# Altium PCB PCB-Relay-Board-V1.PcbDoc (part 3 of 5) (continued)
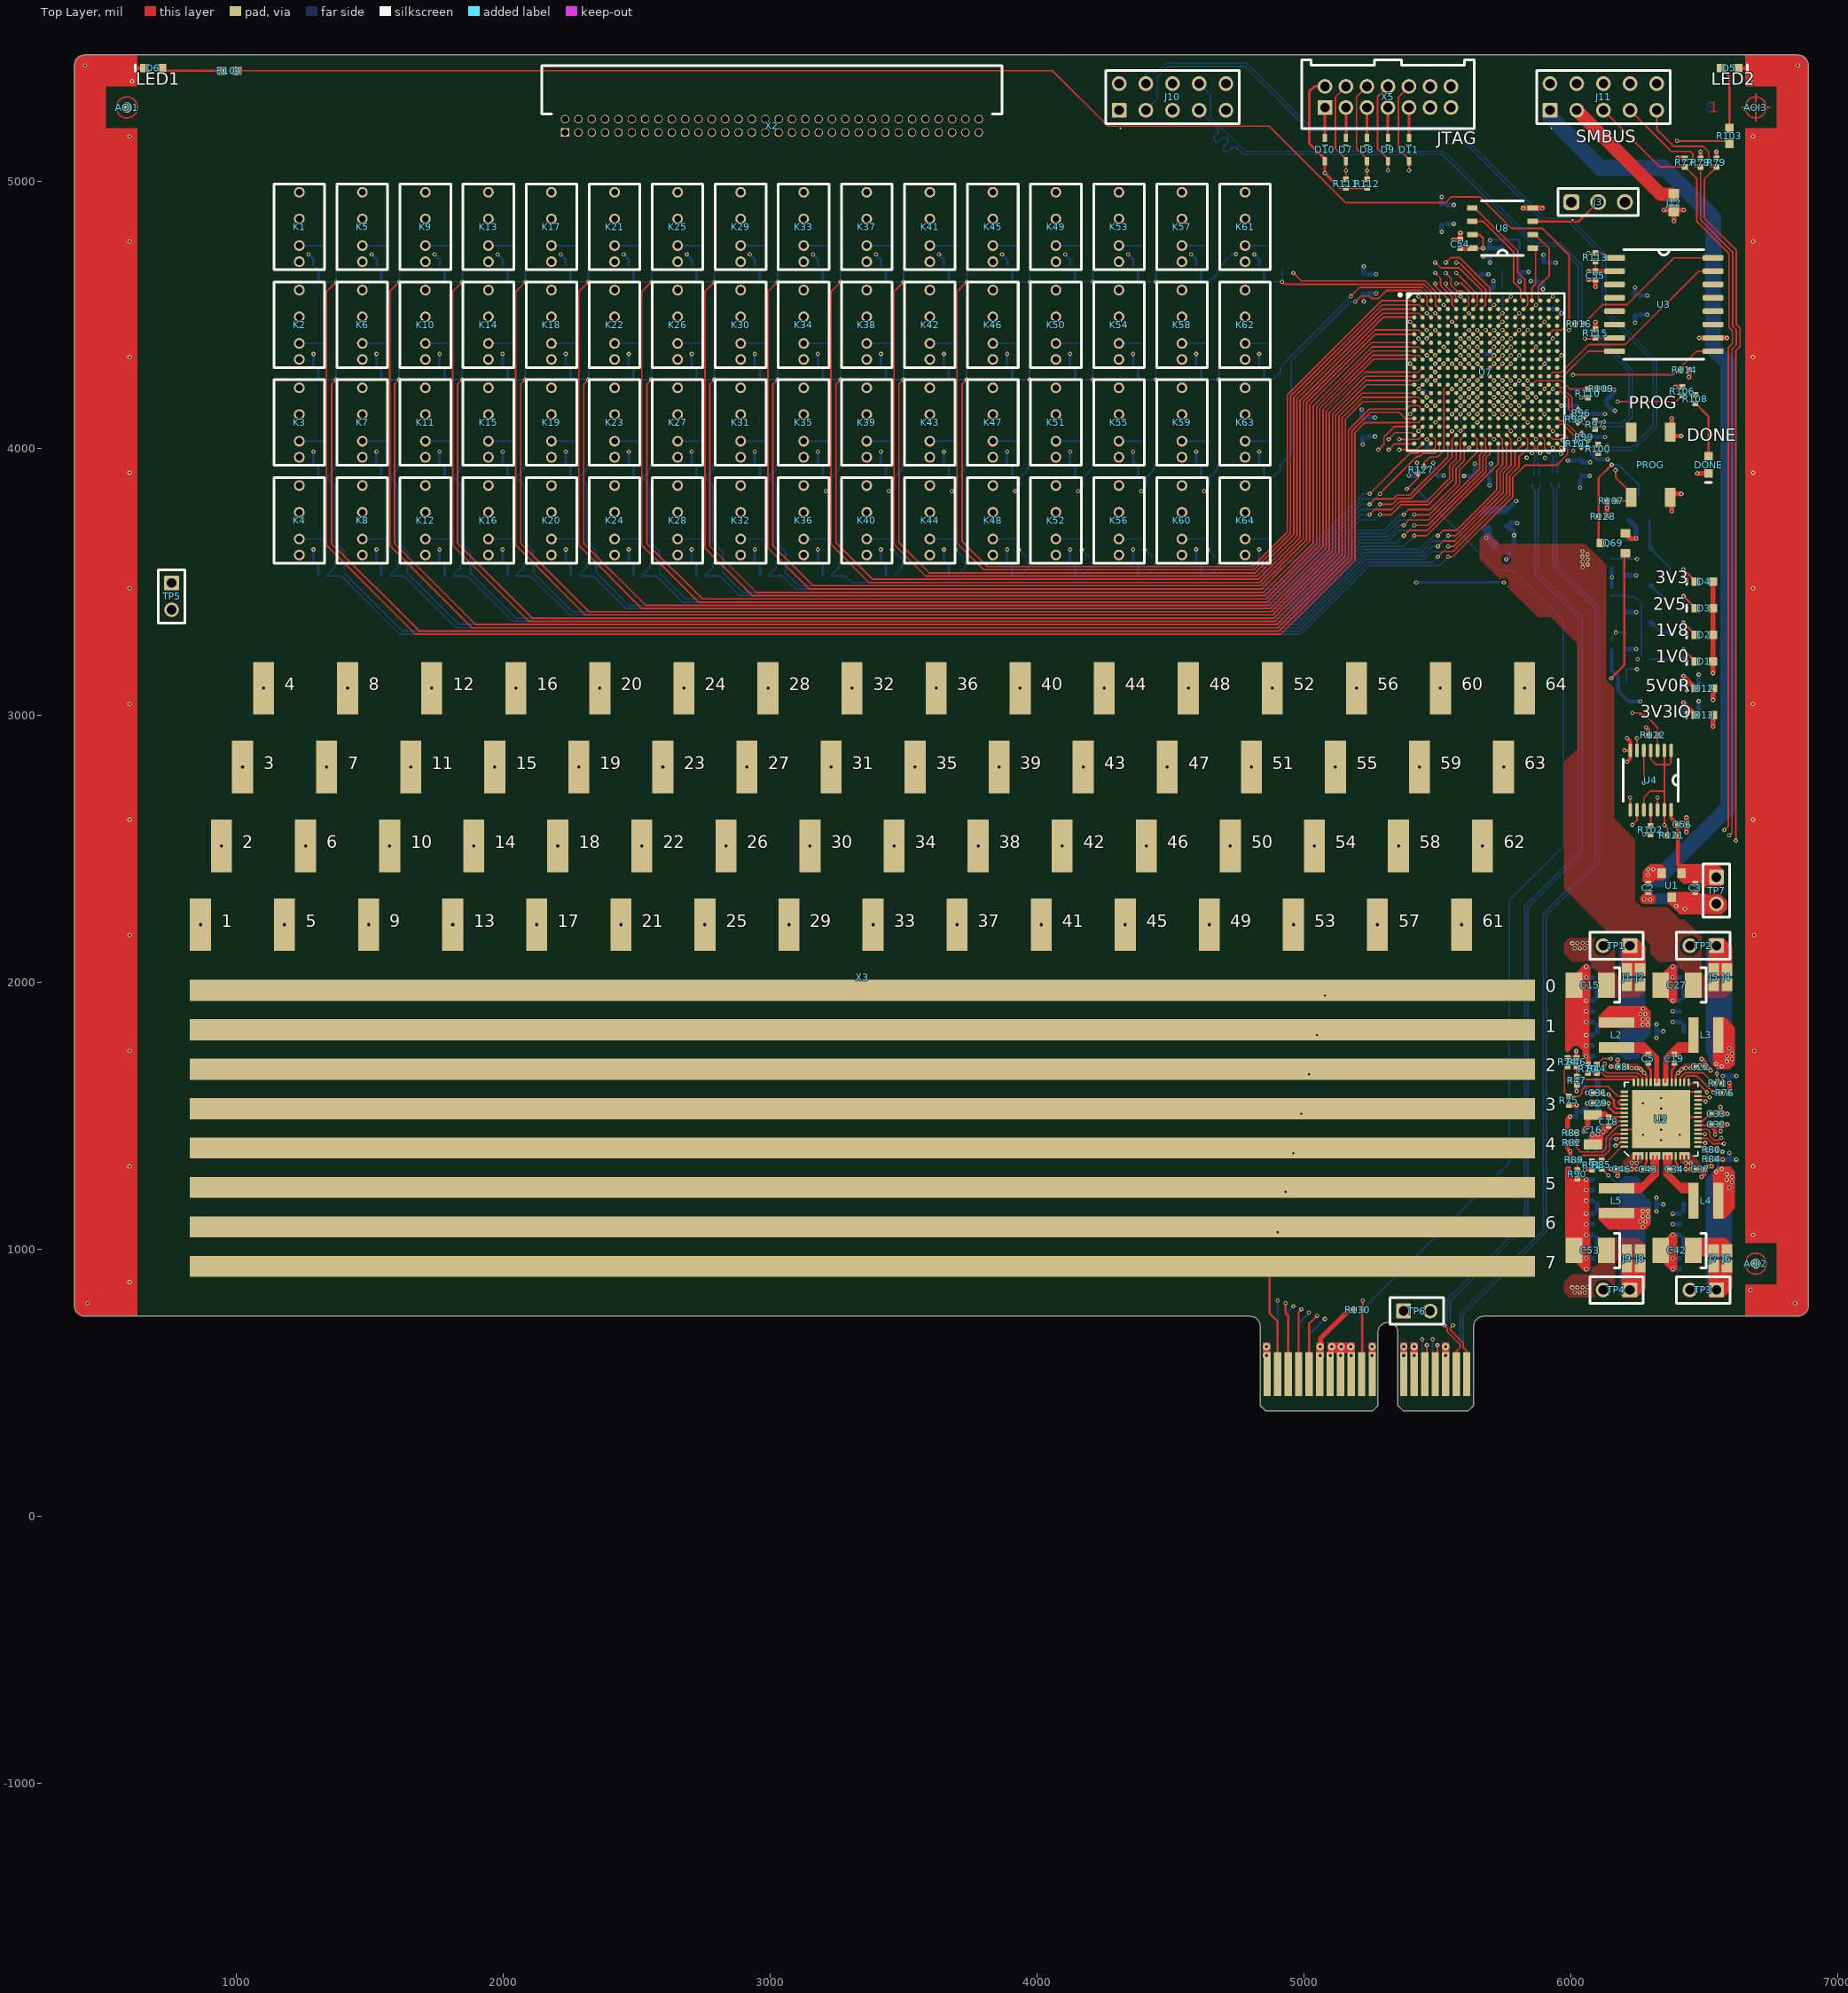
[diagram p0: Top Layer view]
## Nets (pads, with @x,y where several pads share a name; then routed paths per layer and width w, separated by ;. In a path a pad name is that pad's centre, name@x,y a point inside that pad or via, vN(x,y) a via of type N, cw(c..) or ccw(c..) an arc to the next point about the centre after c; other vN are vias at no path point) (continued)
F_MOSI_4: U4.8 U7.H4 | length 2013.7
  Top Layer w6: v1(5492.11,4315.78) U7.H4@5507.86,4331.53 ; U4.8@6222.44,2644.69 v1(6222.44,2690.95)
  Inner2 w5: 5476.36,4142.55 5476.36,4300.03
  Inner2 w6: 5476.36,4142.55 5470.66,4136.85 5470.66,4090.61 5497.66,4063.61 5497.66,4017.12 5545.38,3969.39 5545.38,3833.82 6178.98,3200.22 6178.98,2734.4 v1(6222.44,2690.95) ; 5476.36,4300.03 v1(5492.11,4315.78)
F_SCLK_4: U4.6 U7.G3 | length 1815.5
  Top Layer w6: U7.G3@5476.36,4363.02 v1(5492.11,4347.28) ; U4.6@6248.03,2867.13 v1(6248.03,2913.39)
  Inner2 w5: 5507.86,4300.03 5507.86,4331.53
  Inner2 w6: v1(5492.11,4347.28) 5507.86,4331.53 ; 5507.86,4300.03 5523.35,4284.54 5523.35,4027.18 5569.38,3981.15 5569.38,3843.76 6202.98,3210.16 6202.98,2958.43 v1(6248.03,2913.39)
FPGACLK_4: R43.2 U7.C11 | length 90.6
  Top Layer w6: U7.C11@5728.33,4489.01 v1(5744.08,4504.76)
  Bottom Layer w6: v1(5744.08,4504.76) R43.2@5744.08,4573.04
FUN_1: R127.1 R129.2 X4.A10 | length 4003
  Top Layer w6: v1(5385.83,3846.46) 5427.84,3888.47 R127.1@5427.84,3906.19
  Bottom Layer w6: X4.A10@5216.54,531.5 5216.54,767.72 R129.2@5220.47,771.65 5770.36,1321.54 5770.36,2305.8 5973.14,2508.57 5973.14,3351.66 5783.46,3541.34 5724.41,3541.34 5419.29,3846.46 v1(5385.83,3846.46)
FUNC_4: R127.2 U7.L5 | length 361.7
  Top Layer w5: 5523.61,3990.16 5523.61,4221.29
  Top Layer w6: R127.2@5450.11,3928.46 5450.11,3944.21 5472.44,3966.54 5499.98,3966.54 5523.61,3990.16 ; 5523.61,4221.29 U7.L5@5539.35,4237.04
GND: C1.2 C2.2 C3.2 C4.2 C6.2 C7.2 C8.2 C9.2 C10.2 C11.2 C12.2 C13.2 C14.2 C15.2 C16.2 C17.2 C18.2 C20.2 C21.2 C22.2 C23.2 C24.2 C25.2 C26.2 C27.2 C28.2 C29.2 C30.2 C31.2 C32.2 C33.2 C35.2 C36.2 C37.2 C38.2 C39.2 C40.2 C41.2 C42.2 C44.2 C45.2 C46.2 C47.2 C48.2 C49.2 C50.2 C51.2 C52.2 C53.2 C54.1 C55.2 C56.1 C310.2 C311.2 C312.2 C313.2 C314.2 C315.2 C316.2 C317.2 C318.2 C430.2 C431.2 C432.2 C433.2 C434.2 C435.2 C436.2 C437.2 C438.2 C439.2 C440.2 C441.2 C442.2 C443.2 C444.2 C445.2 C446.2 C447.2 C448.2 C449.2 C450.2 C451.2 C452.2 C453.2 C454.2 C455.2 C456.2 C457.2 C458.2 C459.2 C460.2 C461.2 C462.2 C463.2 C464.2 C465.2 C466.2 C467.2 C468.2 C469.2 C470.1 C470.2 C471.2 C476.2 C477.2 D5.2 D6.2 D7.1 D8.1 D9.1 D10.1 D11.1 DONE.2 J3.3 J10.2 J10.5 J10.6 J10.9 J10.10 J11.2 J11.4 J11.6 J11.8 J11.10 PROG.3 PROG.4 Q1.2 Q2.2 Q3.2 Q4.2 Q5.2 Q6.2 Q7.2 Q8.2 Q9.2 Q10.2 Q11.2 Q12.2 Q13.2 Q14.2 Q15.2 Q16.2 Q17.2 Q18.2 Q19.2 Q20.2 Q21.2 Q22.2 Q23.2 Q24.2 Q25.2 Q26.2 Q27.2 Q28.2 Q29.2 Q30.2 Q31.2 Q32.2 Q33.2 Q34.2 Q35.2 Q36.2 Q37.2 Q38.2 Q39.2 Q40.2 Q41.2 Q42.2 Q43.2 Q44.2 Q45.2 Q46.2 Q47.2 Q48.2 Q49.2 Q50.2 Q51.2 Q52.2 Q53.2 Q54.2 Q55.2 Q56.2 Q57.2 Q58.2 Q59.2 Q60.2 Q61.2 Q62.2 Q63.2 Q64.2 Q65.2 Q66.2 Q67.2 Q68.2 Q69.2 Q70.2 R1.1 R2.1 R3.1 R4.1 R5.1 R6.1 R7.1 R8.1 R9.1 R10.1 R11.1 R12.1 R13.1 R14.1 R15.1 R16.1 R17.1 R18.1 R19.1 R20.1 R21.1 R22.1 R23.1 R24.1 R25.1 R26.1 R27.1 R28.1 R29.1 R30.1 R31.1 R32.1 R33.1 R34.1 R35.1 R36.1 R37.1 R38.1 R39.1 R40.1 R41.1 R42.1 R47.2 R48.1 R49.1 R50.1 R51.1 R52.1 R53.1 R54.1 R55.1 R56.1 R57.1 R58.1 R59.1 R60.1 R61.1 R62.1 R63.1 R64.1 R65.1 R66.1 R67.1 R68.1 R69.1 R70.1 R75.2 R76.1 R83.2 R84.1 R86.1 R87.1 R90.2 R91.1 R110.1 R125.1 R126.1 R129.1 R130.1 TP1.2 TP2.2 TP3.2 TP4.2 TP5.2 TP6.2 TP7.2 U1.3 U2.22 U2.28 U2.40 U2.50 U2.52 U2.57 U3.10 U4.7 U7.A2 U7.A12 U7.B5 U7.B15 U7.C8 U7.C18 U7.D1 U7.D11 U7.E4 U7.E8 U7.E14 U7.F7 U7.F9 U7.F11 U7.F17 U7.G8 U7.G10 U7.G12 U7.H3 U7.H7 U7.H9 U7.H11 U7.H13 U7.J6 U7.J8 U7.J9 U7.J10 U7.J12 U7.J16 U7.K7 U7.K9 U7.K10 U7.K11 U7.L2 U7.L8 U7.L9 U7.L10 U7.L12 U7.M5 U7.M7 U7.M9 U7.M11 U7.M15 U7.N8 U7.N10 U7.N12 U7.N18 U7.P1 U7.P11 U7.P13 U7.R4 U7.R14 U7.T7 U7.T17 U7.U10 U7.V3 U7.V13 U8.4 X4.A1 X4.A6 X4.A13 X4.A16 X4.B1 X4.B6 X4.B13 X4.B16 X5.1 X5.3 X5.5 X5.7 X5.9 X5.11 X5.13 Y1.2 | length 13200
  Top Layer w6: v1(5397.62,4473.26) U7.D1@5413.37,4457.51 ; v1(5397.79,4126.98) U7.P1@5413.54,4142.72 ; v1(5429.12,4567.75) U7.A2@5444.87,4552 ; v1(5429.29,4221.46) U7.L2@5445.04,4237.21 ; v1(5460.61,4032.32) U7.V3@5476.36,4016.57 ; v1(5460.79,4347.45) U7.H3@5476.53,4331.7 ; v1(5492.11,4441.76) U7.E4@5507.86,4426.02 ; v1(5492.28,4095.48) U7.R4@5508.03,4111.23 ; v1(5523.61,4536.25) U7.B5@5539.35,4520.5 ; U7.M5@5539.35,4205.54 v1(5555.1,4221.29) ; v1(5555.1,4315.78) U7.J6@5570.85,4300.03 ; v1(5586.6,4189.8) U7.M7@5602.35,4205.54 ; v1(5586.6,4252.79) U7.K7@5602.35,4268.54 ; v1(5586.6,4347.28) U7.H7@5602.35,4331.53 ; v1(5586.6,4410.27) U7.F7@5602.35,4394.52 ; v1(5586.77,4063.98) U7.T7@5602.52,4079.73 ; v1(5618.09,4158.3) U7.N8@5633.84,4174.05 ; v1(5618.09,4221.29) U7.L8@5633.84,4237.04 ; v1(5618.09,4315.78) U7.J8@5633.84,4300.03 ; v1(5618.09,4378.77) U7.G8@5633.84,4363.02 ; v1(5618.09,4441.76) U7.E8@5633.84,4426.02 ; v1(5618.09,4504.76) U7.C8@5633.84,4489.01 ; v1(5649.59,4189.8) U7.M9@5665.34,4205.54 ; v1(5649.59,4221.29) U7.L9@5665.34,4237.04 ; v1(5649.59,4252.79) U7.K9@5665.34,4268.54 ; v1(5649.59,4315.78) U7.J9@5665.34,4300.03 ; v1(5649.59,4347.28) U7.H9@5665.34,4331.53 ; v1(5649.59,4410.27) U7.F9@5665.34,4394.52 ; U7.U10@5696.84,4048.06 v1(5712.58,4032.32) ; U7.N10@5696.84,4174.05 v1(5712.58,4158.3) ; U7.L10@5696.84,4237.04 v1(5712.58,4221.29) ; U7.K10@5696.84,4268.54 v1(5712.58,4252.79) ; U7.J10@5696.84,4300.03 v1(5712.58,4315.78) ; U7.G10@5696.84,4363.02 v1(5712.58,4378.77) ; U7.P11@5728.33,4142.55 v1(5744.08,4126.8) ; U7.M11@5728.33,4205.54 v1(5744.08,4189.8) ; U7.K11@5728.33,4268.54 v1(5744.08,4252.79) ; U7.H11@5728.33,4331.53 v1(5744.08,4347.28) ; U7.F11@5728.33,4394.52 v1(5744.08,4410.27) ; U7.D11@5728.33,4457.51 v1(5744.08,4473.26) ; U7.N12@5759.83,4174.05 v1(5775.58,4158.3) ; U7.L12@5759.83,4237.04 v1(5775.58,4221.29) ; U7.J12@5759.83,4300.03 v1(5775.58,4315.78) ; U7.G12@5759.83,4363.02 v1(5775.58,4378.77) ; U7.A12@5759.83,4552 v1(5775.58,4567.75) ; U7.V13@5791.32,4016.57 v1(5807.07,4032.32) ; U7.P13@5791.32,4142.55 v1(5807.07,4126.8) ; U7.H13@5791.32,4331.53 v1(5807.07,4347.28) ; U7.R14@5822.82,4111.06 v1(5838.57,4095.31) ; U7.E14@5822.82,4426.02 v1(5838.57,4441.76) ; U7.M15@5854.32,4205.54 v1(5870.06,4189.8) ; U7.B15@5854.32,4520.5 v1(5870.06,4536.25) ; U7.J16@5885.81,4300.03 v1(5901.56,4315.78) ; U7.T17@5917.31,4079.56 v1(5933.06,4063.81) ; U7.F17@5917.31,4394.52 v1(5933.06,4410.27) ; U7.N18@5948.8,4174.05 v1(5964.55,4158.3) ; U7.C18@5948.8,4489.01 v1(5964.55,4504.76) ; v1(6127.04,1693.67) 6127.04,1667.75 6135.6,1659.19 6250.36,1659.19 6267.67,1641.88 U2.40@6267.67,1624.06 ; U2.52@6200.79,1446.85 6299.21,1446.85 v1(6338.58,1486.22) U2.57@6346.46,1494.09 ; U2.22@6476.38,1494.09 U2.57@6346.46,1494.09 ; U2.28@6476.38,1588.58 6440.94,1588.58 U2.57@6346.46,1494.09
  Top Layer w8.66: C18.2@6141.73,1460.63 6146.19,1465.09 6159.97,1465.09 6173.23,1478.35 U2.50@6200.79,1478.35
  Top Layer w10: D10.1@5078.74,5161.42 X5.1@5078.74,5275.59 ; D7.1@5157.48,5161.42 X5.3@5157.48,5275.59 ; D8.1@5236.22,5161.42 X5.5@5236.22,5275.59 ; D9.1@5314.96,5161.42 X5.7@5314.96,5275.59 ; D11.1@5393.7,5161.42 X5.9@5393.7,5275.59 ; v1(6021.8,1591.31) 6021.97,1591.48 6021.97,1614.85 R47.2@6022.14,1615.02 ; v1(6037.62,4188.45) R110.1@6064.45,4188.45
  Top Layer w13.78: 590.15,5422.97 656.24,5422.97 D6.2@656.5,5423.23 ; v1(6200.79,2867.13) U4.7@6222.44,2867.13 ; v1(6210.63,2824.8) 6222.44,2836.61 U4.7@6222.44,2867.13 ; v1(6210.63,2913.39) 6222.44,2901.57 U4.7@6222.44,2867.13 ; D5.2@6626.97,5423.23 6661.42,5423.23
  Top Layer w16: v1(6053.15,1297.24) R91.1@6078.74,1297.24 ; v1(6561.02,1440.94) C32.2@6561.02,1466.54 ; R76.1@6594.49,1588.32 v1(6594.49,1622.05)
  Top Layer w18: v2(5061.02,633.86) 5062.12,634.95 5062.12,664.48 5167.46,769.83 5185.18,769.83 R130.1@5187.01,771.65 ; v1(5560.37,4780.05) C54.1@5586.5,4780.05 v1(5586.5,4806.18) ; R83.2@5987.62,1435.03 5987.62,1486.27 v1(5996.98,1495.62) ; R75.2@5992.74,1539.9 5994.03,1538.61 v1(6021.8,1538.61) ; R47.2@6022.14,1615.02 R47.2@6023.47,1613.69 ; v1(6057.09,1722.44) 6063.53,1716 R70.1@6063.53,1690.5 ; v1(6061.02,1545.28) C29.2@6086.61,1545.28 ; v1(6061.02,1584.65) C31.2@6086.61,1584.65 ; v1(6066.39,4629.92) C55.2@6092.52,4629.92 v1(6092.52,4603.8) ; v1(6149.61,1299.21) C46.2@6175.2,1299.21 v1(6175.2,1273.62) ; v1(6149.61,1683.07) C8.2@6175.2,1683.07 v1(6175.2,1708.66) ; v1(6377.95,3763.24) PROG.3@6377.95,3789.37 ; PROG.4@6377.95,4084.65 v1(6377.95,4110.77) ; PROG.3@6387.8,3828.74 v1(6413.92,3828.74) ; PROG.4@6387.8,4045.28 v1(6413.92,4045.28) ; v1(6433.07,2560.81) C56.1@6433.07,2588.58 v1(6433.07,2616.36) ; v1(6473.87,3904.53) DONE.2@6515.75,3904.53 ; v1(6480.9,4412.4) U3.10@6508.46,4412.4 ; v1(6489.12,1270.74) 6489.74,1270.74 6500.29,1281.28 C37.2@6500.29,1297.53 ; v1(6489.73,1711.36) 6500.16,1700.93 C22.2@6500.16,1683.07 ; C37.2@6501.97,1299.21 6512.8,1310.04 v1(6527.56,1310.04) ; C22.2@6501.97,1683.07 6510.05,1683.07 v1(6523.86,1669.26) ; R84.1@6543.75,1337 6545.57,1335.17 6554.5,1335.17 6555.03,1334.65 v1(6568.9,1334.65) ; U3.10@6557.29,4412.4 v1(6584.85,4412.4) ; C32.2@6561.02,1466.54 v1(6586.61,1466.54) ; v1(6561.02,1531.5) C33.2@6561.02,1505.91 v1(6586.61,1505.91) ; R76.1@6592.48,1585.08 R76.1@6594.3,1586.91
  Top Layer w18.5: Q69.2@6204.72,3681.1 6206.69,3681.1 6213.19,3674.61 6213.19,3672.64 6225.43,3660.39 v1(6245.26,3660.39)
  Top Layer w20: v1(5820.85,4898.65) U8.4@5857.08,4898.65 v1(5893.31,4898.65)
  Bottom Layer w10: v1(1270.73,4725.03) 1289.95,4705.81 Q1.2@1289.95,4684.95 ; Q4.2@1289.37,3576.39 v1(1289.37,3620) ; Q3.2@1289.37,3942.61 v1(1289.37,3986.22) ; Q2.2@1289.37,4308.83 v1(1289.37,4352.44) ; Q1.2@1299.85,4675.05 1308.07,4666.83 R1.1@1308.07,4622.28 ; R4.1@1308.07,3523.62 Q4.2@1308.07,3568.17 ; R3.1@1308.07,3889.84 Q3.2@1308.07,3934.39 ; R2.1@1308.07,4256.06 Q2.2@1308.07,4300.61 ; v1(1506.95,4725.03) 1526.17,4705.81 Q5.2@1526.17,4684.95 ; Q8.2@1525.59,3576.39 v1(1525.59,3620) ; Q7.2@1525.59,3942.61 v1(1525.59,3986.22) ; Q6.2@1525.59,4308.83 v1(1525.59,4352.44) ; R8.1@1544.29,3523.62 Q8.2@1544.29,3568.17 ; R7.1@1544.29,3889.84 Q7.2@1544.29,3934.39 ; R6.1@1544.29,4256.06 Q6.2@1544.29,4300.61 ; R5.1@1544.29,4622.28 Q5.2@1544.29,4666.83 ; v1(1743.17,4725.03) 1762.39,4705.81 Q9.2@1762.39,4684.95 ; Q12.2@1761.81,3576.39 v1(1761.81,3620) ; Q11.2@1761.81,3942.61 v1(1761.81,3986.22) ; Q10.2@1761.81,4308.83 v1(1761.81,4352.44) ; R12.1@1780.51,3523.62 Q12.2@1780.51,3568.17 ; R11.1@1780.51,3889.84 Q11.2@1780.51,3934.39 ; R10.1@1780.51,4256.06 Q10.2@1780.51,4300.61 ; R9.1@1780.51,4622.28 Q9.2@1780.51,4666.83 ; v1(1979.39,4725.03) 1998.61,4705.81 Q13.2@1998.61,4684.95 ; Q16.2@1998.03,3576.39 v1(1998.03,3620) ; Q15.2@1998.03,3942.61 v1(1998.03,3986.22) ; Q14.2@1998.03,4308.83 v1(1998.03,4352.44) ; R16.1@2016.73,3523.62 Q16.2@2016.73,3568.17 ; R15.1@2016.73,3889.84 Q15.2@2016.73,3934.39 ; R14.1@2016.73,4256.06 Q14.2@2016.73,4300.61 ; R13.1@2016.73,4622.28 Q13.2@2016.73,4666.83 ; v1(2215.61,4725.03) 2234.83,4705.81 Q17.2@2234.83,4684.95 ; Q20.2@2234.25,3576.39 v1(2234.25,3620) ; Q19.2@2234.25,3942.61 v1(2234.25,3986.22) ; Q18.2@2234.25,4308.83 v1(2234.25,4352.44) ; R20.1@2252.95,3523.62 Q20.2@2252.95,3568.17 ; R19.1@2252.95,3889.84 Q19.2@2252.95,3934.39 ; R18.1@2252.95,4256.06 Q18.2@2252.95,4300.61 ; R17.1@2252.95,4622.28 Q17.2@2252.95,4666.83 ; v1(2451.83,4725.03) 2471.05,4705.81 Q21.2@2471.05,4684.95 ; Q24.2@2470.47,3576.39 v1(2470.47,3620) ; Q23.2@2470.47,3942.61 v1(2470.47,3986.22) ; Q22.2@2470.47,4308.83 v1(2470.47,4352.44) ; R24.1@2489.17,3523.62 Q24.2@2489.17,3568.17 ; R23.1@2489.17,3889.84 Q23.2@2489.17,3934.39 ; R22.1@2489.17,4256.06 Q22.2@2489.17,4300.61 ; R21.1@2489.17,4622.28 Q21.2@2489.17,4666.83 ; v1(2688.06,4725.03) 2707.27,4705.81 Q25.2@2707.27,4684.95 ; Q28.2@2706.69,3576.39 v1(2706.69,3620) ; Q27.2@2706.69,3942.61 v1(2706.69,3986.22) ; Q26.2@2706.69,4308.83 v1(2706.69,4352.44) ; R28.1@2725.39,3523.62 Q28.2@2725.39,3568.17 ; R27.1@2725.39,3889.84 Q27.2@2725.39,3934.39 ; R26.1@2725.39,4256.06 Q26.2@2725.39,4300.61 ; R25.1@2725.39,4622.28 Q25.2@2725.39,4666.83 ; v1(2924.28,4725.03) 2943.5,4705.81 Q29.2@2943.5,4684.95 ; Q32.2@2942.91,3576.39 v1(2942.91,3620) ; Q31.2@2942.91,3942.61 v1(2942.91,3986.22) ; Q30.2@2942.91,4308.83 v1(2942.91,4352.44) ; R32.1@2961.61,3523.62 Q32.2@2961.61,3568.17 ; R31.1@2961.61,3889.84 Q31.2@2961.61,3934.39 ; R30.1@2961.61,4256.06 Q30.2@2961.61,4300.61 ; R29.1@2961.61,4622.28 Q29.2@2961.61,4666.83 ; v1(3160.5,4725.03) 3179.72,4705.81 Q33.2@3179.72,4684.95 ; Q36.2@3179.13,3576.39 v1(3179.13,3620) ; Q35.2@3179.13,3942.61 v1(3179.13,3986.22) ; Q34.2@3179.13,4308.83 v1(3179.13,4352.44) ; R36.1@3197.83,3523.62 Q36.2@3197.83,3568.17 ; R35.1@3197.83,3889.84 Q35.2@3197.83,3934.39 ; R34.1@3197.83,4256.06 Q34.2@3197.83,4300.61 ; R33.1@3197.83,4622.28 Q33.2@3197.83,4666.83 ; v1(3396.72,4725.03) 3415.94,4705.81 Q37.2@3415.94,4684.95 ; Q40.2@3415.35,3576.39 v1(3415.35,3620) ; Q39.2@3415.35,3942.61 v1(3415.35,3986.22) ; Q38.2@3415.35,4308.83 v1(3415.35,4352.44) ; R40.1@3434.06,3523.62 Q40.2@3434.05,3568.17 ; R39.1@3434.06,3889.84 Q39.2@3434.05,3934.39 ; R38.1@3434.06,4256.06 Q38.2@3434.05,4300.61 ; R37.1@3434.05,4622.28 Q37.2@3434.05,4666.83 ; v1(3632.94,4725.03) 3652.16,4705.81 Q41.2@3652.16,4684.95 ; Q44.2@3651.57,3576.39 v1(3651.57,3620) ; Q43.2@3651.57,3942.61 v1(3651.57,3986.22) ; Q42.2@3651.57,4308.83 v1(3651.57,4352.44) ; R49.1@3670.28,3523.62 Q44.2@3670.28,3568.17 ; R48.1@3670.28,3889.84 Q43.2@3670.28,3934.39 ; R42.1@3670.28,4256.06 Q42.2@3670.28,4300.61 ; R41.1@3670.28,4622.28 Q41.2@3670.28,4666.83 ; v1(3869.16,4725.03) 3888.38,4705.81 Q45.2@3888.38,4684.95 ; Q48.2@3887.8,3576.39 v1(3887.8,3620) ; Q47.2@3887.8,3942.61 v1(3887.8,3986.22) ; Q46.2@3887.8,4308.83 v1(3887.8,4352.44) ; R53.1@3906.5,3523.62 Q48.2@3906.5,3568.17 ; R52.1@3906.5,3889.84 Q47.2@3906.5,3934.39 ; R51.1@3906.5,4256.06 Q46.2@3906.5,4300.61 ; R50.1@3906.5,4622.28 Q45.2@3906.5,4666.83 ; v1(4105.38,4725.03) 4124.6,4705.81 Q49.2@4124.6,4684.95 ; Q52.2@4124.02,3576.39 v1(4124.02,3620) ; Q51.2@4124.02,3942.61 v1(4124.02,3986.22) ; Q50.2@4124.02,4308.83 v1(4124.02,4352.44) ; R57.1@4142.72,3523.62 Q52.2@4142.72,3568.17 ; R56.1@4142.72,3889.84 Q51.2@4142.72,3934.39 ; R55.1@4142.72,4256.06 Q50.2@4142.72,4300.61 ; R54.1@4142.72,4622.28 Q49.2@4142.72,4666.83 ; v1(4341.6,4725.03) 4360.82,4705.81 Q53.2@4360.82,4684.95 ; Q56.2@4360.24,3576.39 v1(4360.24,3620) ; v1(4360.24,3986.22) 4360.24,3942.61 Q55.2@4370.72,3942.61 ; Q54.2@4360.24,4308.83 v1(4360.24,4352.44) ; R61.1@4378.94,3523.62 Q56.2@4378.94,3568.17 ; R60.1@4378.94,3889.84 Q55.2@4378.94,3934.39 ; R59.1@4378.94,4256.06 Q54.2@4378.94,4300.61 ; R58.1@4378.94,4622.28 Q53.2@4378.94,4666.83 ; v1(4577.82,4725.03) 4597.04,4705.81 Q57.2@4597.04,4684.95 ; Q60.2@4596.46,3576.39 v1(4596.46,3620) ; Q59.2@4596.46,3942.61 v1(4596.46,3986.22) ; Q58.2@4596.46,4308.83 v1(4596.46,4352.44) ; R65.1@4615.16,3523.62 Q60.2@4615.16,3568.17 ; R64.1@4615.16,3889.84 Q59.2@4615.16,3934.39 ; R63.1@4615.16,4256.06 Q58.2@4615.16,4300.61 ; R62.1@4615.16,4622.28 Q57.2@4615.16,4666.83 ; v1(4814.04,4725.03) 4833.26,4705.81 Q61.2@4833.26,4684.95 ; Q64.2@4832.68,3576.39 v1(4832.68,3620) ; Q63.2@4832.68,3942.61 v1(4832.68,3986.22) ; Q62.2@4832.68,4308.83 v1(4832.68,4352.44) ; R69.1@4851.38,3523.62 Q64.2@4851.38,3568.17 ; R68.1@4851.38,3889.84 Q63.2@4851.38,3934.39 ; R67.1@4851.38,4256.06 Q62.2@4851.38,4300.61 ; R66.1@4851.38,4622.28 Q61.2@4851.38,4666.83 ; R86.1@6059.26,1364.83 6064.15,1369.73 6064.15,1395.02 6065.48,1396.35 C47.2@6066.93,1396.35 ; R87.1@6082.1,1298.17 6083.09,1299.15 6112.76,1299.15 C48.2@6113.74,1300.14
  Bottom Layer w15: v1@5429.39,4221.46 5437.87,4212.98 C461.2@5453.42,4212.98 ; 5460.68,4001.19 5469.17,4009.68 C460.2@5469.17,4025.22 ; v1(5901.56,4315.78) 5913.98,4328.2 C448.2@5913.98,4340.01 ; C442.2@5944.87,4177.99 v1(5964.55,4158.3) 6024.63,4158.3 ; 6067.7,4127.08 v1(6127.78,4127.08) ; 6069.25,4041.35 v1(6129.32,4041.35) ; 6078.49,3978.6 6099.57,3957.51 v1(6137.78,3957.51)
  Bottom Layer w18: v2(5061.02,633.86) 5062.12,634.95 5062.12,664.48 5169.29,771.65 R129.1@5188.98,771.65 ; v1(5216.54,4143.7) 5216.54,4118.17 C456.2@5224.56,4110.14 ; v1(5224.39,4549.5) C463.2@5224.39,4575.62 ; C456.2@5240.31,4114.08 v1(5266.44,4114.08) ; C463.2@5244.08,4579.56 v1(5270.2,4579.56) ; v1(5393.32,3896.56) C310.2@5419.45,3896.56 ; C310.2@5423.77,3920.56 v1(5423.77,3944.34) ; C451.2@5515.73,4914.21 v1(5515.73,4940.33) ; C451.2@5535.42,4910.27 v1(5561.54,4910.27) ; v1(5600.01,3895.57) C436.2@5626.14,3895.57 ; C436.2@5640.25,3909.78 v1(5640.25,3941.2) ; C453.2@5665.34,4650.43 v1(5691.46,4650.43) ; v1(5671.39,4716.68) C17.2@5697.51,4716.68 v1(5697.51,4694.49) ; C452.2@5700.77,4595.31 5710.62,4605.15 v1(5710.62,4625.31) ; v1(5757.87,3582.68) 5767.92,3592.73 C9.2@5767.92,3606.76 ; C10.2@5757.87,3708.66 5767.57,3698.96 5775.45,3698.96 5787.27,3687.14 v1(5787.27,3672.99) C9.2@5787.27,3646.87 ; C10.2@5772.52,3718.41 v1(5798.65,3718.41) ; v1(5808.73,4623.62) Y1.2@5808.73,4649.75 ; Y1.2@5815.42,4659.59 v1(5841.55,4659.59) ; C316.2@5897.62,4697.67 v1(5897.62,4723.8) ; C316.2@5917.31,4693.73 v1(5943.43,4693.73) ; v1(5996.98,1495.62) C28.2@6022.57,1495.62 ; v1(5996.98,1634.3) C30.2@6022.57,1634.3 ; C28.2@6021.8,1513.02 v1(6021.8,1538.61) ; v1(6021.8,1591.31) C30.2@6021.8,1616.9 ; C30.2@6031.5,1633.86 6031.5,1625.98 6041.2,1616.28 6041.34,1616.28 6061.02,1596.6 v1(6061.02,1584.65) ; v1(6034.54,3851.98) C318.2@6034.54,3878.11 ; C318.2@6040.31,3895.68 v1(6071.18,3895.68) ; C28.2@6041.34,1513.64 6061.02,1533.32 v1(6061.02,1545.28) ; v1(6057.09,925.2) C52.2@6082.68,925.2 ; v1(6057.09,964.57) C52.2@6082.68,964.57 ; v1(6057.09,1003.94) C52.2@6082.68,1003.94 ; v1(6057.09,1053.15) C51.2@6082.68,1053.15 ; v1(6057.09,1092.52) C51.2@6082.68,1092.52 ; v1(6057.09,1131.89) C51.2@6082.68,1131.89 ; v1(6057.09,1181.1) C50.2@6082.68,1181.1 ; v1(6057.09,1220.47) C50.2@6082.68,1220.47 ; v1(6057.09,1259.84) C50.2@6082.68,1259.84 ; v1(6057.09,1722.44) C14.2@6082.68,1722.44 ; v1(6057.09,1761.81) C14.2@6082.68,1761.81 ; v1(6057.09,1801.18) C14.2@6082.68,1801.18 ; v1(6057.09,1850.39) C13.2@6082.68,1850.39 ; v1(6057.09,1889.76) C13.2@6082.68,1889.76 ; v1(6057.09,1929.13) C13.2@6082.68,1929.13 ; v1(6057.09,1978.35) C12.2@6082.68,1978.35 ; v1(6057.09,2017.72) C12.2@6082.68,2017.72 ; v1(6057.09,2057.09) C12.2@6082.68,2057.09 ; C47.2@6068.53,1400.85 6070.35,1402.67 6070.35,1416.67 v1(6080.2,1426.52) ; 6098.42,1015.75 C51.2@6098.42,1041.34 ; 6098.42,1143.7 C50.2@6098.42,1169.29 ; 6098.42,1812.99 C13.2@6098.42,1838.58 ; 6098.42,1940.94 C12.2@6098.42,1966.54 ; C48.2@6113.74,1300.14 6148.68,1300.14 v1(6149.61,1299.21) ; v1(6240.57,4469.77) C444.2@6240.57,4495.9 ; C444.2@6260.26,4499.84 v1(6286.38,4499.84) ; v1(6320.85,1141.07) C49.2@6320.85,1166.66 ; v1(6320.85,1192.25) C49.2@6320.85,1166.66 ; v1(6320.85,1790.13) C11.2@6320.85,1815.72 ; v1(6320.85,1841.31) C11.2@6320.85,1815.72 ; v1(6346.44,1166.66) C49.2@6320.85,1166.66 ; v1(6346.44,1815.72) C11.2@6320.85,1815.72 ; v1(6381.89,925.2) C39.2@6407.48,925.2 ; v1(6381.89,964.57) C39.2@6407.48,964.57 ; v1(6381.89,1003.94) C39.2@6407.48,1003.94 ; v1(6381.89,1053.15) C40.2@6407.48,1053.15 ; v1(6381.89,1092.52) C40.2@6407.48,1092.52 ; v1(6381.89,1131.89) C40.2@6407.48,1131.89 ; v1(6381.89,1850.39) C25.2@6407.48,1850.39 ; v1(6381.89,1889.76) C25.2@6407.48,1889.76 ; v1(6381.89,1929.13) C25.2@6407.48,1929.13 ; v1(6381.89,1978.35) C26.2@6407.48,1978.35 ; v1(6381.89,2017.72) C26.2@6407.48,2017.72 ; v1(6381.89,2057.09) C26.2@6407.48,2057.09 ; 6423.23,1015.75 C40.2@6423.23,1041.34 ; 6423.23,1143.7 C41.2@6423.23,1169.29 ; 6423.23,1812.99 C25.2@6423.23,1838.58 ; 6423.23,1940.94 C26.2@6423.23,1966.54 ; R126.1@6479.05,3008.14 v1(6479.05,3051.67) ; R125.1@6479.05,3107.93 v1(6479.05,3151.46) ; v1(6568.9,1334.65) C38.2@6594.49,1334.65 ; v1(6568.9,1647.64) C23.2@6594.49,1647.64 ; v1(6594.49,1360.24) C38.2@6594.49,1334.65 ; v1(6594.49,1622.05) C23.2@6594.49,1647.64 ; v1(6620.08,1334.65) C38.2@6594.49,1334.65 ; v1(6620.08,1647.64) C23.2@6594.49,1647.64
  Bottom Layer w18.5: Q65.2@6209.6,3247.01 v1(6245.26,3247.01) ; Q66.2@6209.6,3384.8 v1(6245.26,3384.8) ; Q67.2@6209.6,3522.6 v1(6245.26,3522.6) ; Q68.2@6209.6,3660.39 v1(6245.26,3660.39) 6245.26,3703.56 6226.97,3721.85 6225,3721.85 6218.5,3728.35 Q70.2@6218.5,3730.32
  Bottom Layer w20: C449.2@5933.88,4519.68 5949.63,4519.68 v1(5964.55,4504.76)
  Bottom Layer w40: C4.2@6466.54,2311.02 6522.68,2311.02 6541.18,2292.52 TP7.2@6545.28,2292.52
  other v1: 442.91,797.24 6840.55,797.24 6673.23,846.46 600.39,875.98 6683.07,1053.15 600.39,1309.06 6683.07,1309.06 6338.58,1407.48 6269.69,1427.17 6407.48,1427.17 6101.78,1427.75 6120.12,1439.89 6338.58,1446.85 6338.58,1525.59 6269.69,1545.28 6338.58,1564.96 600.39,1742.13 6687,1742.13 600.39,2175.2 6687,2175.2 6427.17,2273.62 6395.24,2284.58 6297.55,2308.81 6275.47,2309.92 600.39,2608.27 6683.07,2608.27 600.39,3041.34 6683.07,3041.34 600.39,3474.41 6683.07,3474.41 600.39,3907.48 6683.07,3907.48 5903.09,3962.81 5834.4,3963.7 5963.34,3977.97 6009.1,3989.43 600.39,4340.55 6683.07,4340.55 600.39,4773.62 6683.07,4773.62 600.39,5167.32 6683.07,5167.32 610.24,5374.02 6673.23,5374.02 433.07,5433.07 6850.39,5433.07
  other v2: 4860.24,600.3 5061.02,600.3 5413.39,600.3 5531.5,600.3 4860.24,633.86 5413.39,633.86 5531.5,633.86
HS1_4_N: J10.8 R97.1 R98.2 | length 2638.8
  Top Layer w5.5: R98.2@6026.16,4095.95 6041.13,4095.95 6055.89,4081.18 6080.86,4081.18 R97.1@6090.36,4071.69 6099.86,4081.18 6116.23,4081.18
  Bottom Layer w5.5: J10.8@4607.87,5364.96 4650.96,5321.87 4650.96,5239.55 4779.2,5111.32 4862.2,5111.32 5524.99,5111.32 5867.36,4768.95 5959.4,4768.95 6040.85,4687.49 6040.85,4481.47 6230.31,4292.01 6230.31,4116.18 6195.32,4081.18 6131.02,4081.18 6126.4,4076.56 v1(6123.63,4076.56)
HS1_4_P: J10.7 R96.2 R97.2 | length 2618.4
  Top Layer w5.5: R96.2@6050.32,4119.61 6050.32,4104.44 6061.07,4093.68 6080.86,4093.68 R97.2@6090.36,4103.18 6099.86,4093.68 6116.23,4093.68
  Bottom Layer w5.5: J10.7@4607.87,5264.96 4620.54,5252.3 4676.57,5196.26 cw(c4667.56,5187.25) 4676.57,5178.23 4666.32,5167.98 ccw(c4675.34,5158.96) 4666.32,5149.95 ccw(c4675.34,5158.96) 4684.35,5149.95 4694.6,5160.2 cw(c4703.62,5151.18) 4712.64,5160.2 cw(c4703.62,5151.18) 4712.64,5142.17 4702.38,5131.91 ccw(c4711.4,5122.9) 4702.38,5113.88 ccw(c4711.4,5122.9) 4720.41,5113.88 4730.67,5124.14 cw(c4739.68,5115.12) 4748.7,5124.14 4769.09,5103.74 4774.02,5098.82 4862.2,5098.82 5519.82,5098.82 5862.18,4756.45 5954.22,4756.45 6028.35,4682.32 6028.35,4476.29 6217.81,4286.83 6217.81,4121.36 6190.14,4093.68 6131.02,4093.68 6126.4,4098.31 v1(6123.63,4098.31)
HS2_4_N: J10.4 R100.1 R101.2 | length 3125.9
  Top Layer w5.5: R101.2@6038.68,4005.43 6053.65,4005.43 6068.41,3990.67 6093.38,3990.67 R100.1@6102.88,3981.17 6112.38,3990.67 6128.75,3990.67
  Bottom Layer w5.5: J10.4@4407.87,5364.96 4407.3,5365.53 4407.3,5401.4 4414.96,5409.05 4451.66,5409.05 4483.95,5441.35 4785.03,5441.35 5024.55,5201.83 5562.48,5201.83 5904.85,4859.46 5996.89,4859.46 6131.37,4724.98 6131.37,4518.96 6320.83,4329.5 6320.83,4078.69 6232.81,3990.67 6143.54,3990.67 6138.92,3986.05 v1(6136.14,3986.05)
HS2_4_P: J10.3 R99.2 R100.2 | length 3136.3
  Top Layer w5.5: R99.2@6062.83,4029.09 6062.83,4013.92 6073.58,4003.17 6093.38,4003.17 R100.2@6102.88,4012.67 6112.38,4003.17 6128.75,4003.17
  Bottom Layer w5.5: J10.3@4407.87,5264.96 4451.12,5308.21 4451.12,5390.84 4489.13,5428.85 4779.85,5428.85 5019.37,5189.33 5557.31,5189.33 5899.67,4846.96 5991.71,4846.96 6118.87,4719.81 6118.87,4513.78 6308.33,4324.32 6308.33,4083.87 6227.63,4003.17 6143.54,4003.17 6138.92,4007.8 v1(6136.14,4007.8)
LED1_4: R104.2 U7.E17 | length 5643
  Top Layer w5: 5933.06,4441.76 5964.55,4441.76
  Top Layer w6: R104.2@1001.97,5413.39 4058.19,5413.39 4266.02,5205.56 4869.61,5205.56 5156.75,4918.43 5530.41,4918.43 5552.93,4940.94 5658.85,4940.94 5776.99,4822.81 5892.68,4822.81 5994.09,4721.4 5994.09,4471.31 5964.55,4441.76 ; U7.E17@5917.31,4426.02 5933.06,4441.76
LED2_4: R103.2 U7.U17 | length 1888.8
  Top Layer w5: 5933.06,4032.32 5960.18,4032.32
  Top Layer w6: U7.U17@5917.31,4048.06 5933.06,4032.32 ; 5960.63,4031.87 5968.74,4031.87 v1(5970.6,4030) ; v1(6398.03,5150.21) 6586.01,5150.21 R103.2@6594.49,5141.73
  Inner2 w6: v1(5970.6,4030) 5998.8,4030 6042.61,3986.19 6042.61,3950.62 6097.55,3895.68 6176.61,3895.68 6220.51,3939.57 6220.51,4863.25 6250,4892.74 6250,5002.18 v1(6398.03,5150.21)